# Altium PCB PCB.PcbDoc (part 1 of 2)
Units mil, origin at the board's own origin, x right, y up, seen from the top; angles counter-clockwise.
Board outline 3910.03 x 3905.03 mil, 4 copper layers (Top Layer, Int1 (GND), Int2 (PWR), Bottom Layer), stack 62.449 mil thick; 120 components, 95 nets, 487 pads, 251 vias.
Unrouted connection lines stored in the file: 2.
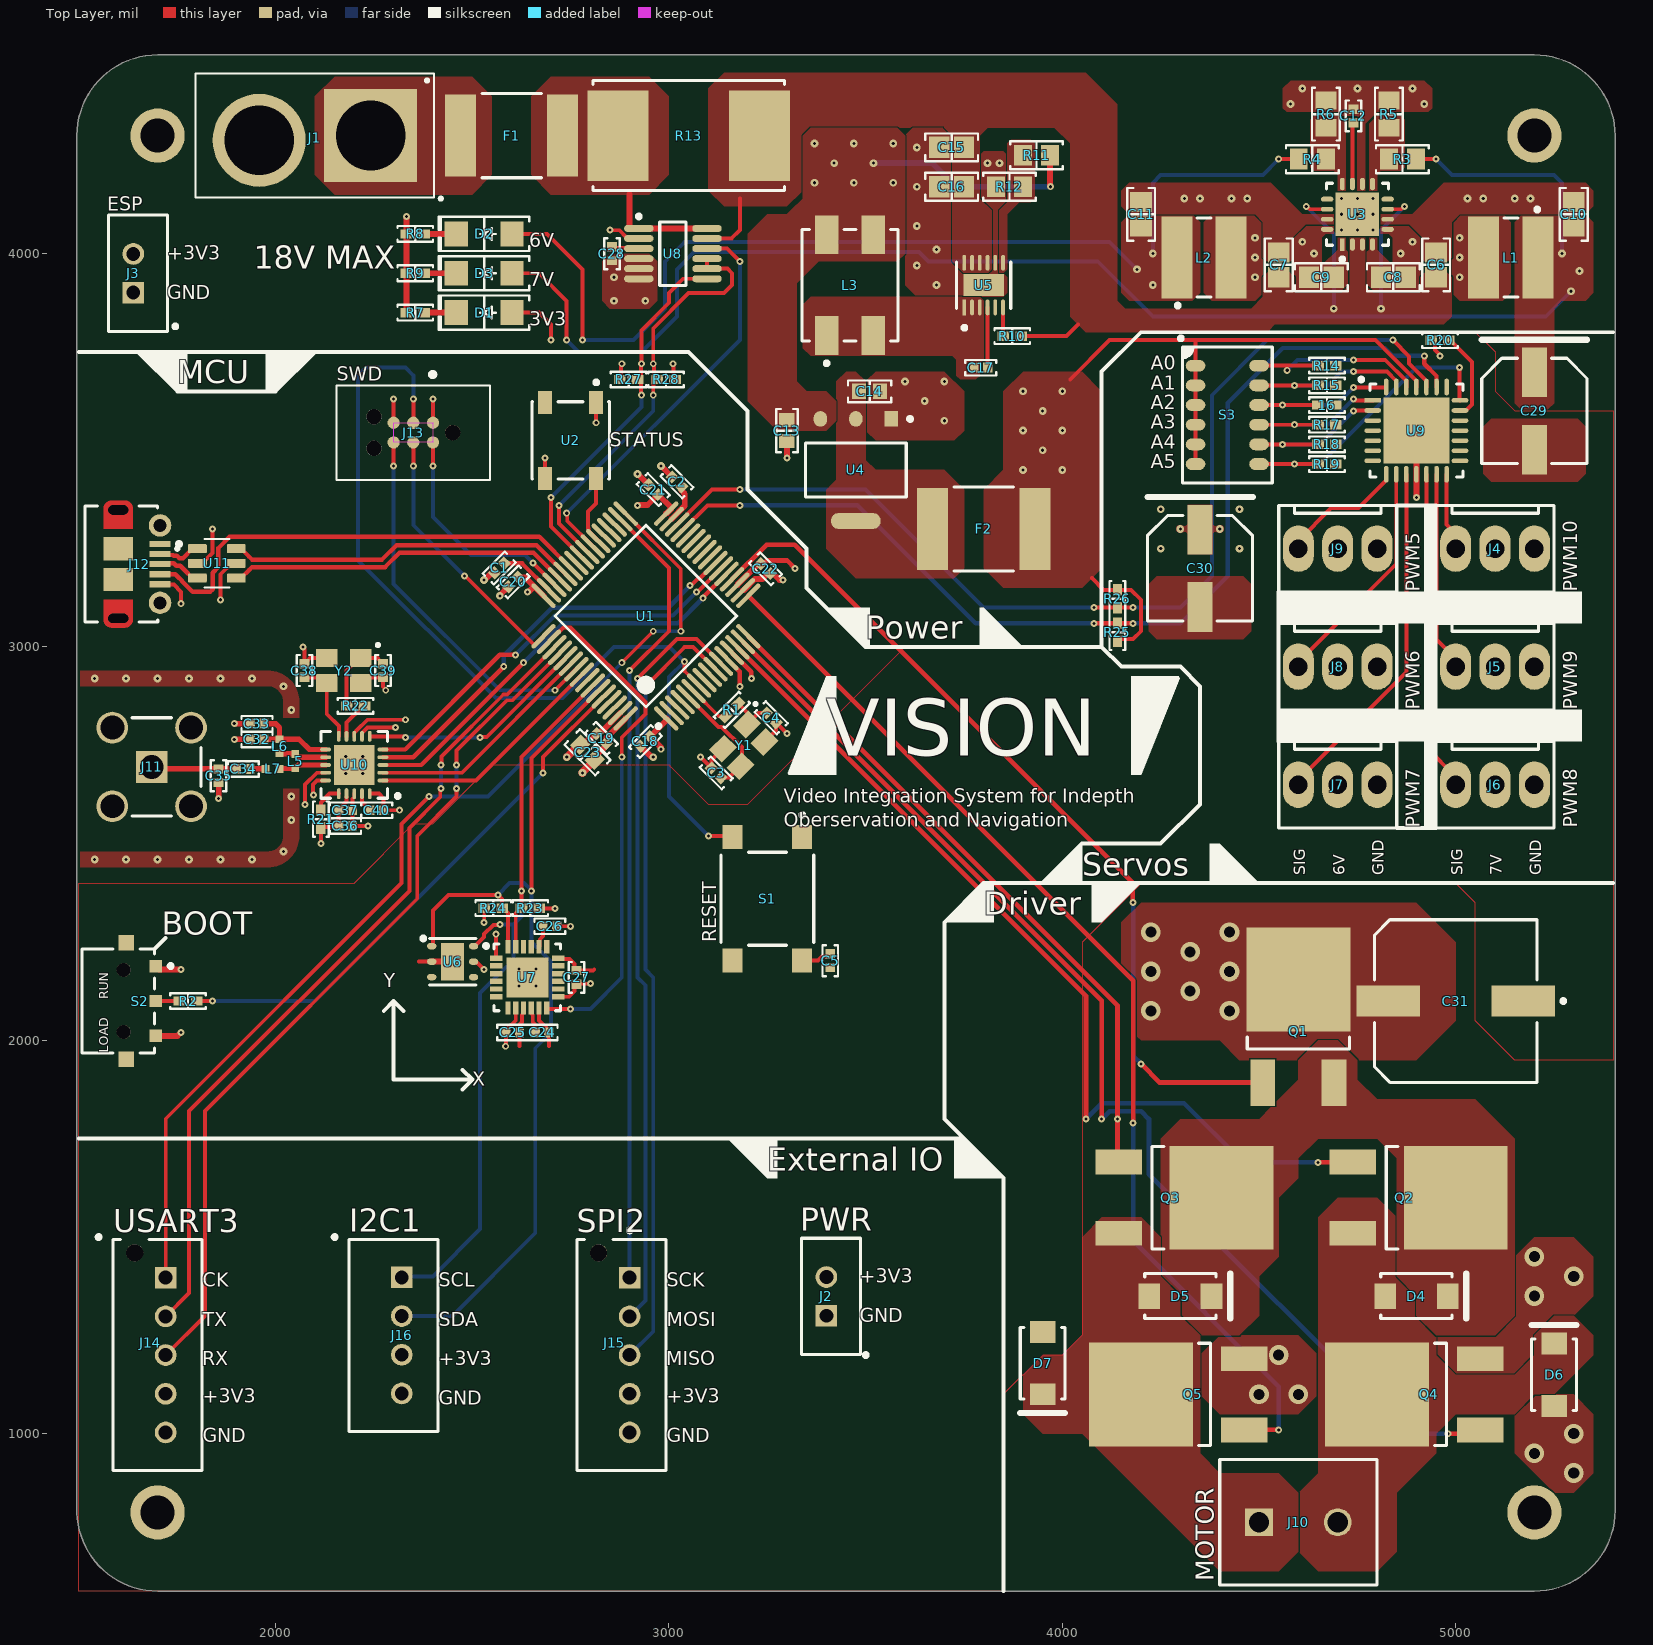
[diagram p0: Top Layer view]
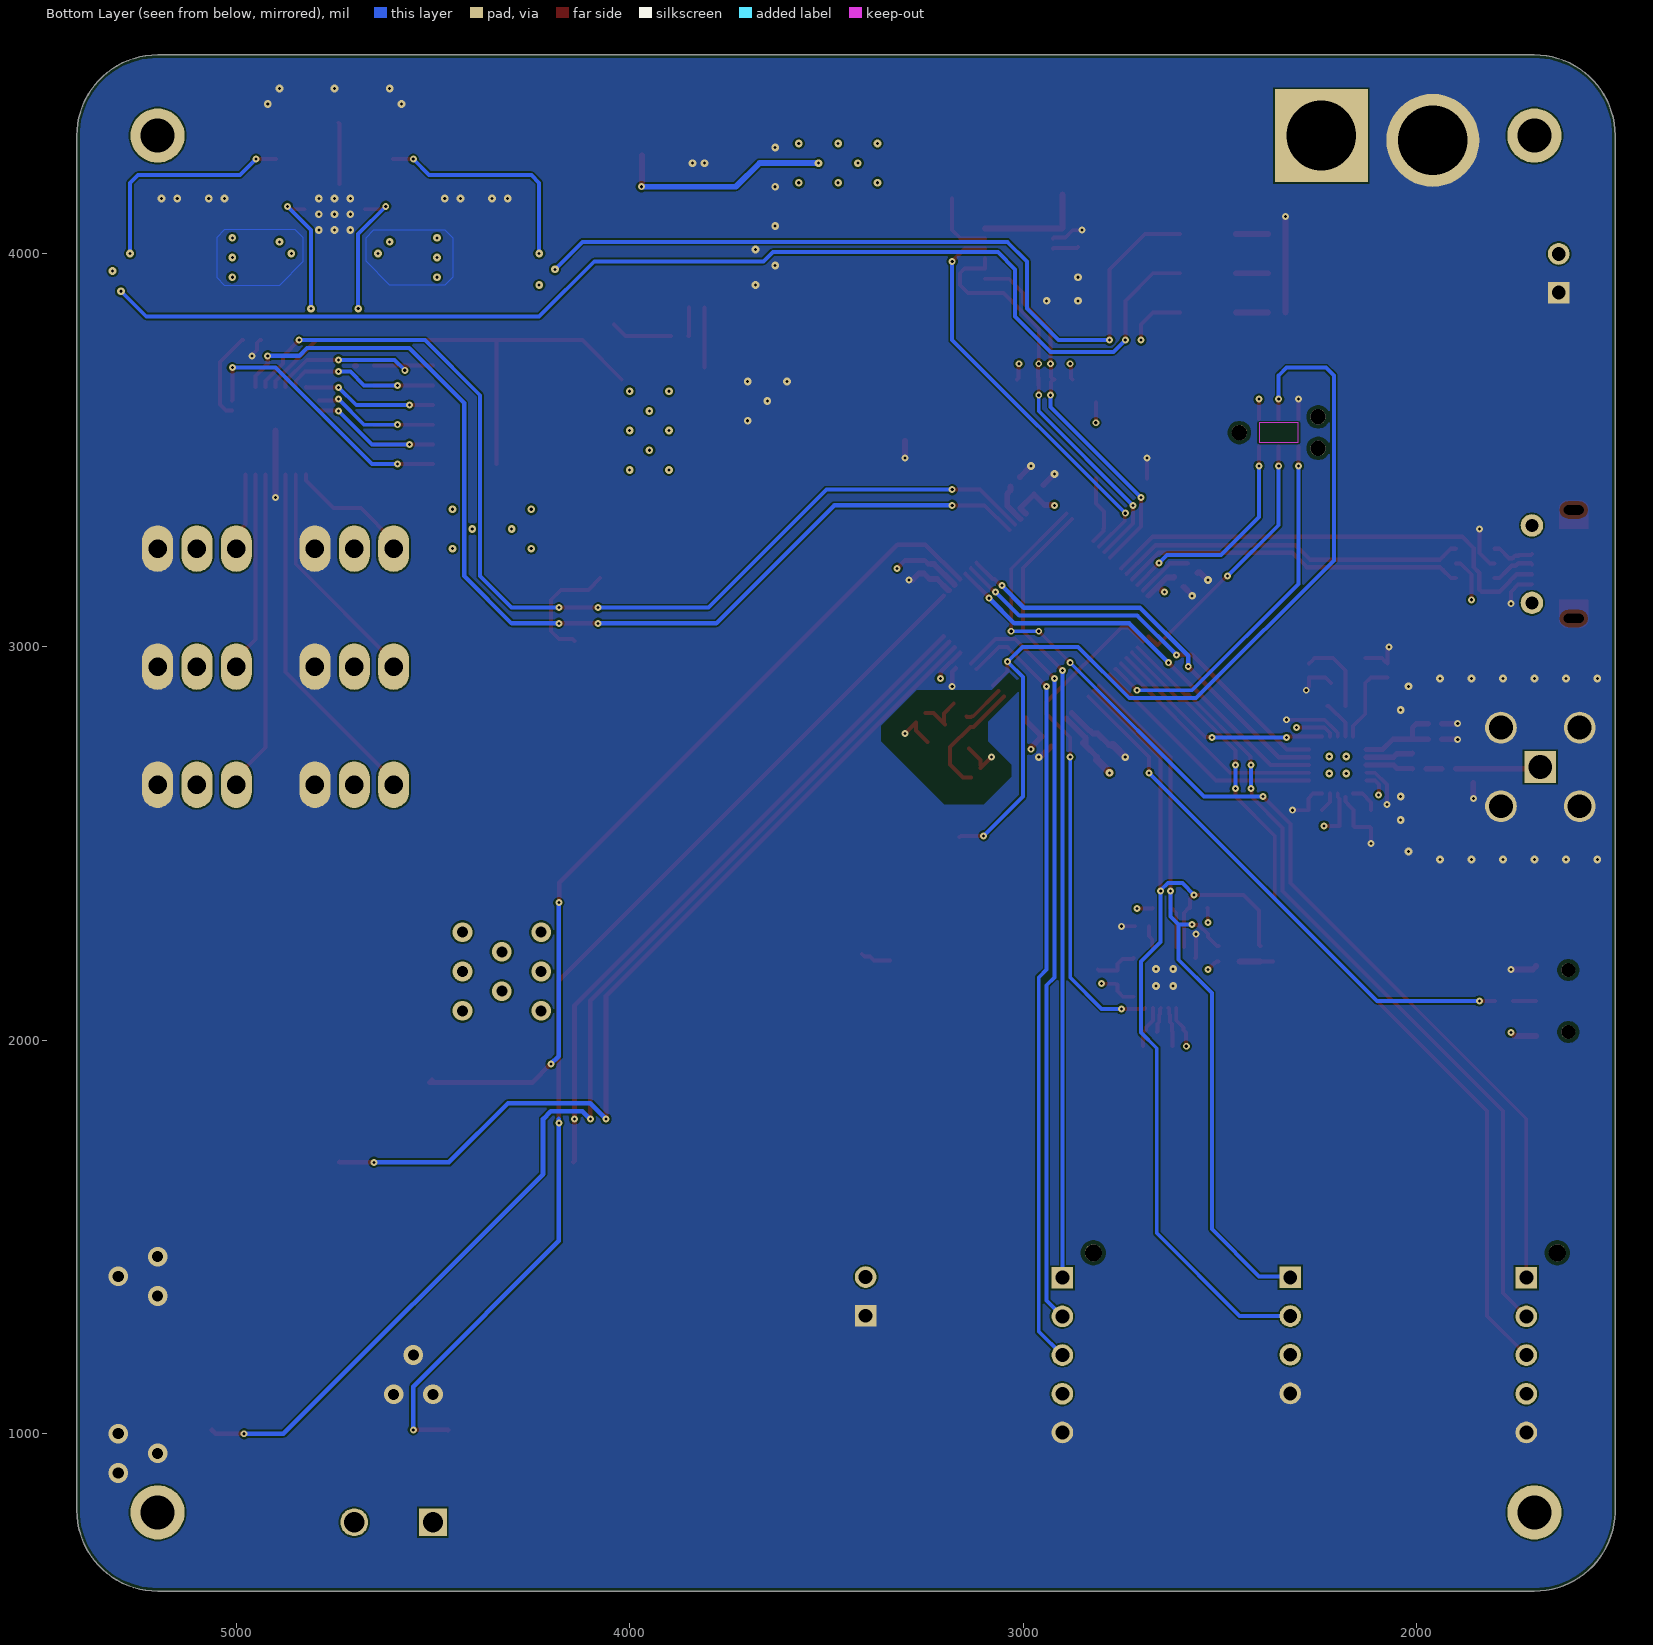
[diagram p1: Bottom Layer view, seen from below]
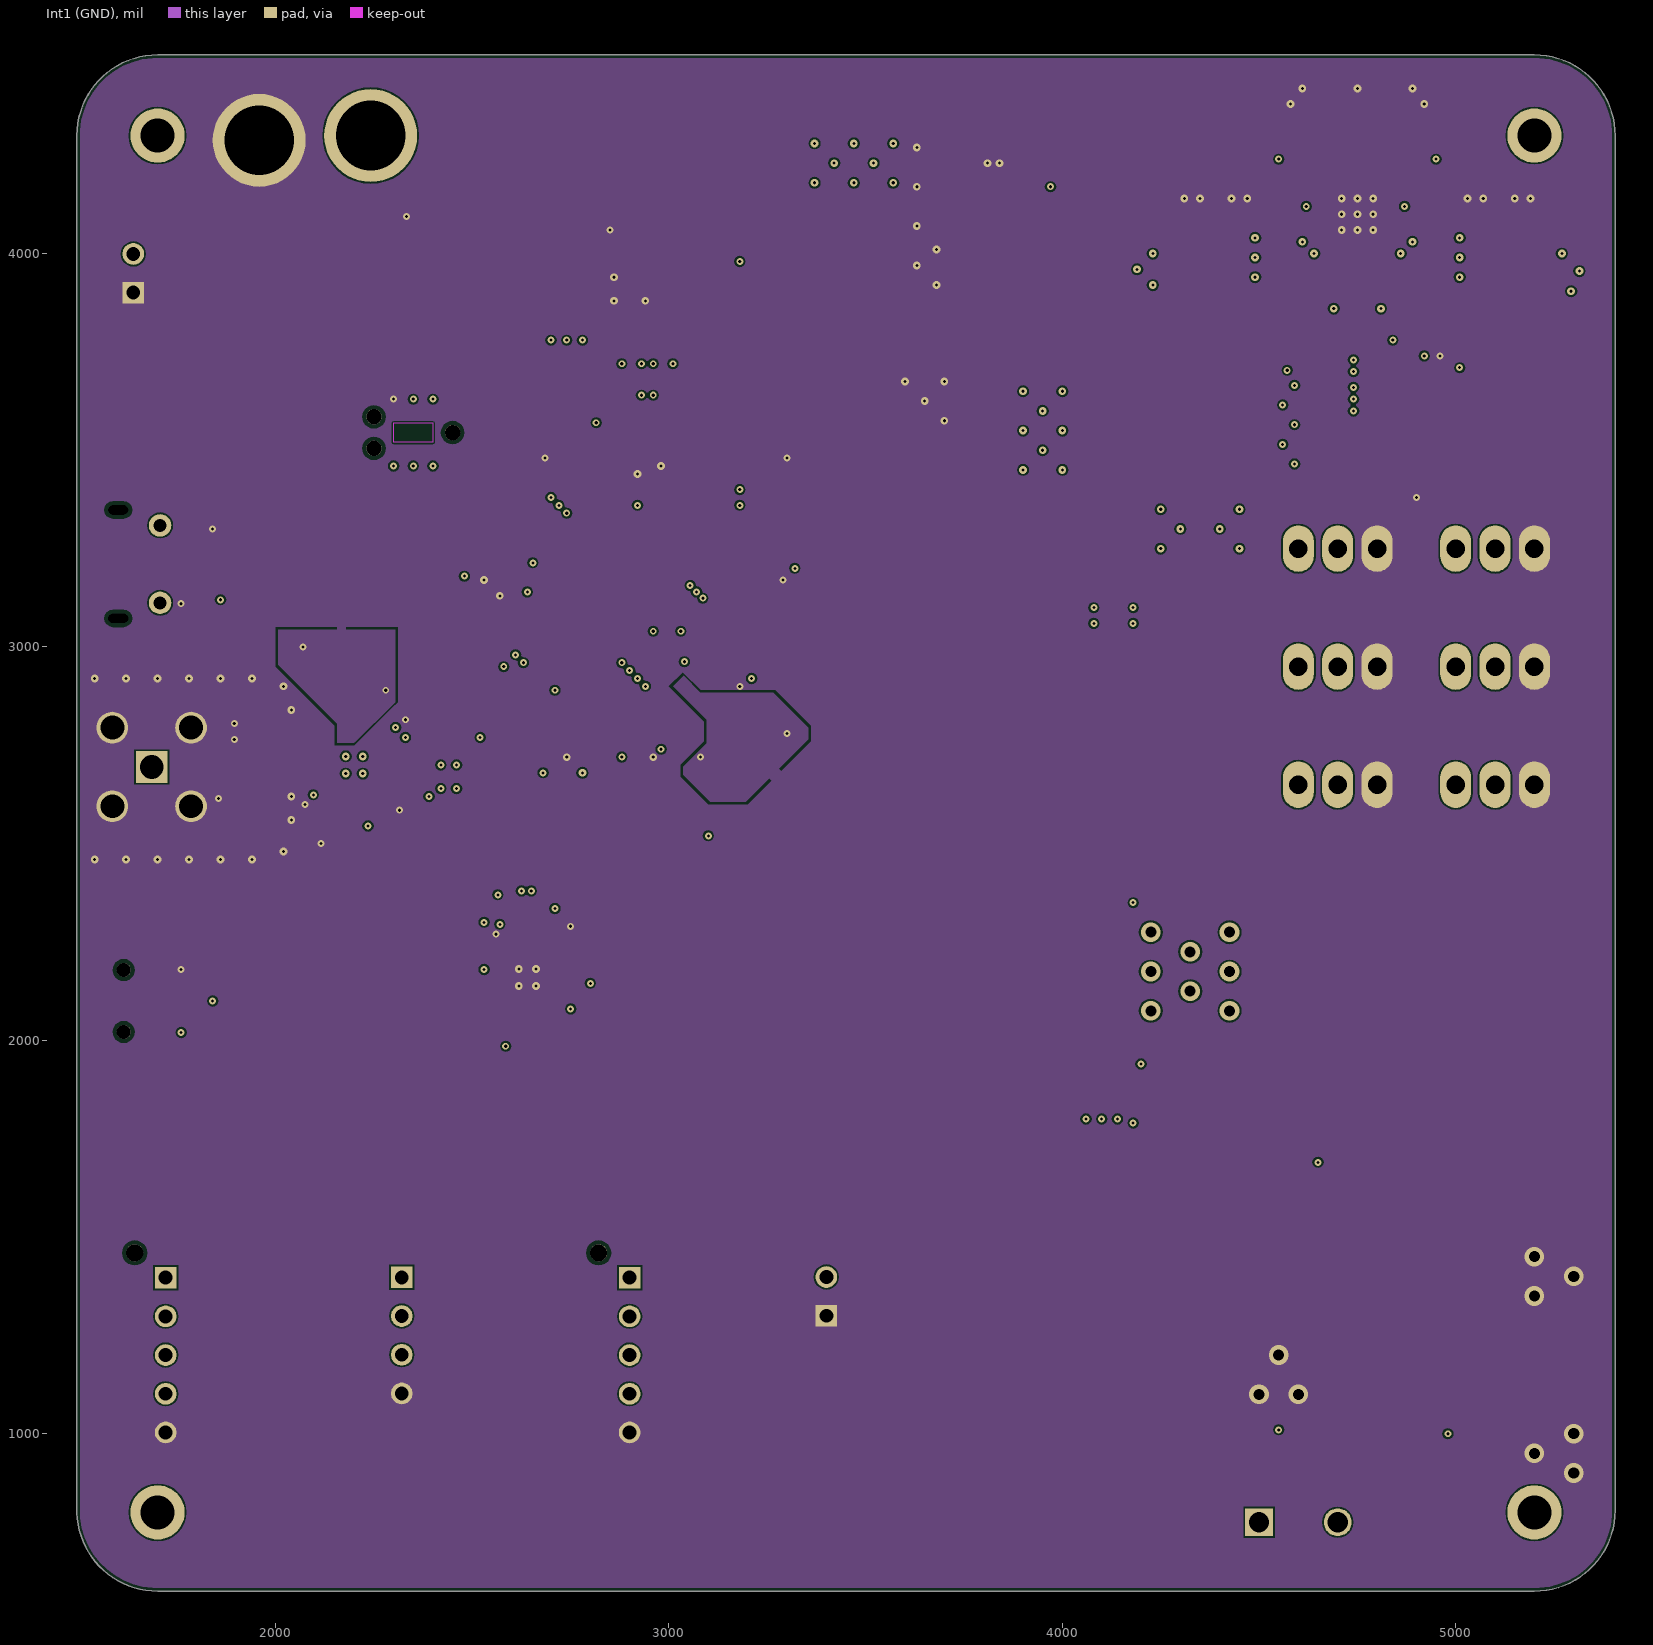
[diagram p2: Int1 (GND)]
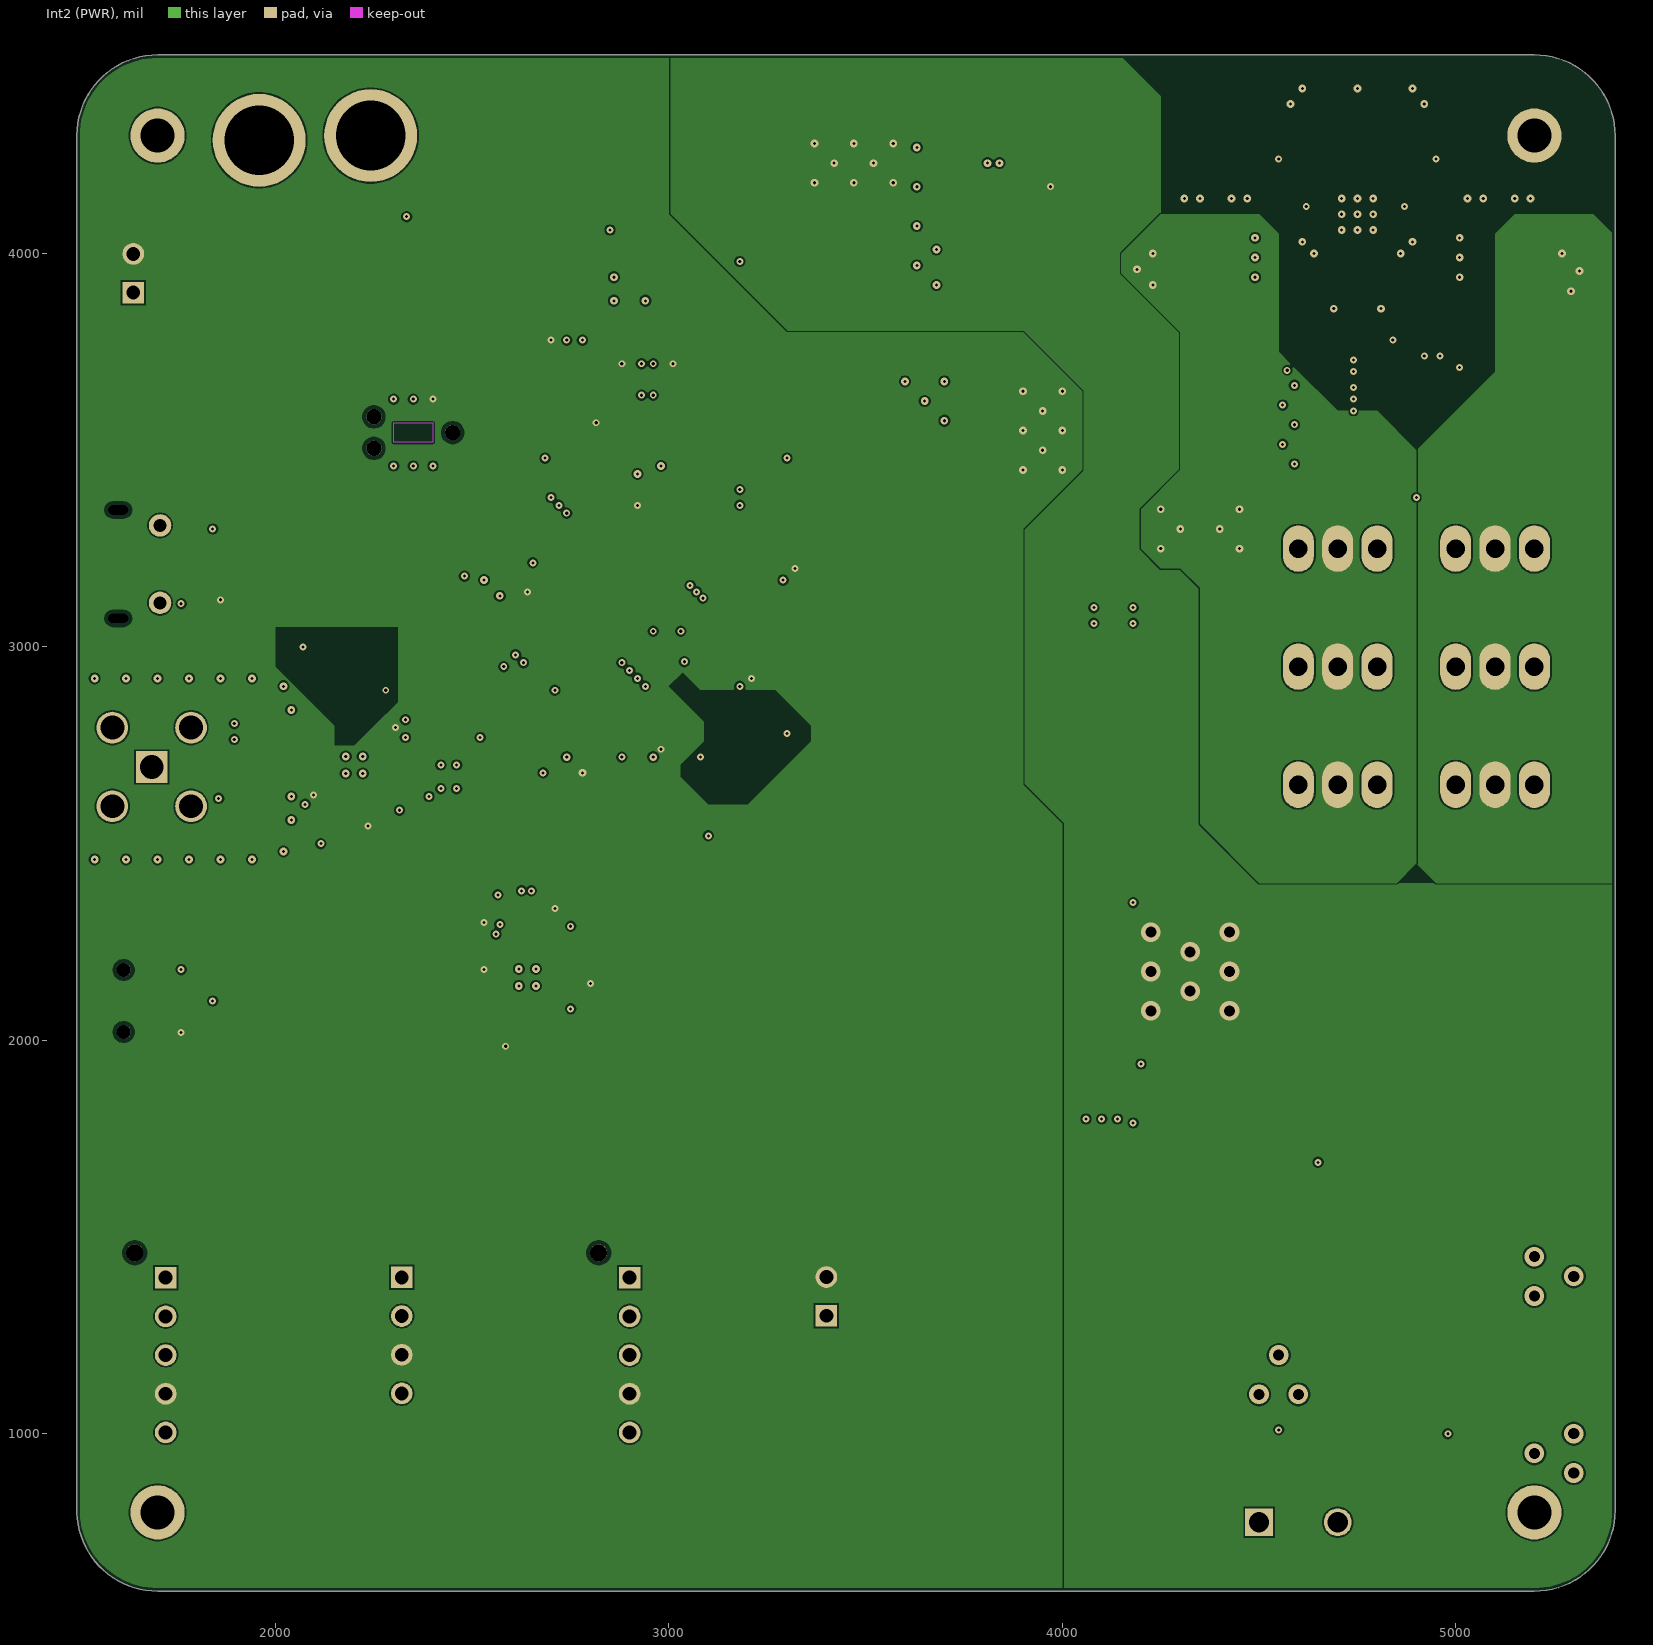
[diagram p3: Int2 (PWR)]
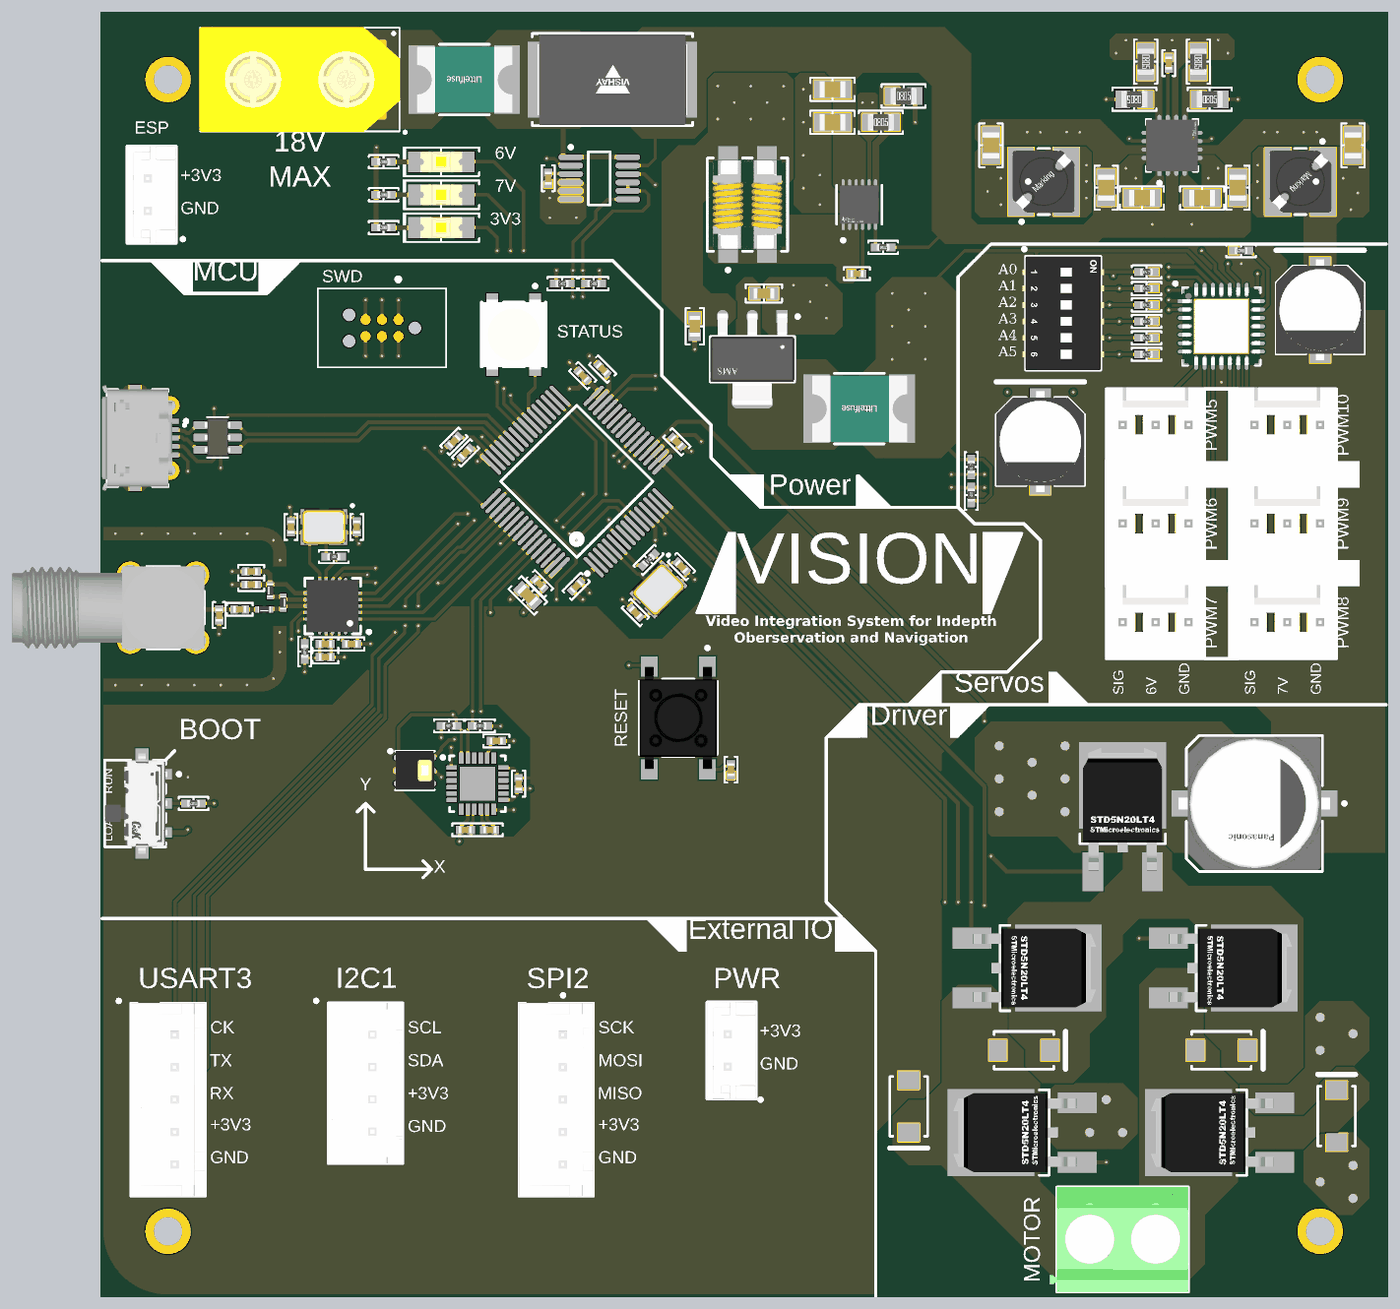
[diagram p5: 3D render of the assembled board from above, using the file's embedded part models]

## Layer stack, top to bottom
Top Solder: solder mask 1, SM-001, Dk 4
Top Layer: signal copper 1.378
Dielectric 2: prepreg 8.284, PP-017, Dk 4.4
Int1 (GND): signal copper 0.598
Dielectric 3: core 41.929, Core-039, Dk 4.6
Int2 (PWR): signal copper 0.598
Dielectric 4: prepreg 8.284, PP-017, Dk 4.4
Bottom Layer: signal copper 1.378
Bottom Solder: solder mask 1, SM-001, Dk 4

## Board outline
1495.07,799.07 ccw(c1700,805) 1699.95,599.99 ccw(c1700,604.78) 1700,599.99 5200,599.99 ccw(c5200,805) 5405.02,805 ccw(c5400,805) 5405.01,805.04 5405.02,4300 ccw(c5200,4300) 5200,4505.01 1700.06,4505.01 ccw(c1700,4499.99) 1700,4505.02 ccw(c1700,4300) 1494.98,4300.12 ccw(c1546.24,4300.06) 1494.98,4300 cw(c1500.44,4300.06) 1494.98,4300.12 1494.98,4300 1494.98,800 ccw(c1500,800)

## Design rules (kind name [scope] priority, off if disabled: settings)
BoardOutlineClearance [All] p1: gap=7.87 ignorepadtopadclearanceinfootprint=FALSE
Clearance [All] p1: gap=4 ignorepadtopadclearanceinfootprint=FALSE except(5: Arc-Via Track-Via SMDPad-Via THPad-Via Via-Via Via-Fill Via-Poly Via-Region Via-Text; 9.84: Arc-Hole Track-Hole SMDPad-Hole THPad-Hole Via-Hole Fill-Hole Poly-Hole Region-Hole Text-Hole)
ComponentClearance [All] p1: gap=4 collisioncheckmode=3 verticalgap=4 showdistances=TRUE
DiffPairsRouting [All] p1: maxlimit=8 minlimit=4 mostfreqgap=8 toplayer_mingap=8 toplayer_minwidth=11.07 toplayer_maxwidth=11.07 toplayer_prefwidth=11.07 bottomlayer_mingap=8 bottomlayer_minwidth=11.07 bottomlayer_maxwidth=11.07 bottomlayer_prefwidth=11.07 impedanceprofiledriven=TRUE impedanceprofileid={A56983EE-B020-4CAB-99AB-481D7BD619AE} impedanceprofilevalue=90.000000 maxuncoupledlength=500
Height [All] p1: minheight=0 maxheight=71497.94 prefheight=500
HoleSize [All] p1: absolutevalues=TRUE maxlimit=248.03 minlimit=7.87 maxpercent=80.000 minpercent=20.000
HoleToHoleClearance [All] p1: gap=9.84 allowstackedmicrovias=FALSE
MinimumAnnularRing [All] p1: minimumring=3
MinimumSolderMaskSliver [All] p1: minsoldermaskwidth=0
PlaneClearance "Top Plane" [InNet('GND') And OnLayer('Top Layer')] p1: clearance=100
PlaneClearance [All] p2: clearance=4
PlaneConnect PlaneConnectPowerPads [InPadClass('PowerPads')] p1: planeconnectstyle=Direct reliefexpansion=20 reliefentries=4 reliefconductorwidth=10 reliefairgap=10
PlaneConnect [All] p2: pad.planeconnectstyle=Relief pad.reliefexpansion=11.81 pad.reliefentries=4 pad.reliefconductorwidth=4 pad.reliefairgap=4 via.planeconnectstyle=Direct via.reliefexpansion=11.81 via.reliefentries=4 via.reliefconductorwidth=5 via.reliefairgap=5
PolygonConnect PolygonConnectPowerPads [All vs (InPadClass('PowerPads'))] p1: connectstyle=Direct reliefconductorwidth=10 reliefentries=4 polygonreliefangle="90 Angle" airgapwidth=10
PolygonConnect [All] p2: connectstyle=Direct reliefconductorwidth=4 reliefentries=4 polygonreliefangle="90 Angle" airgapwidth=4
RoutingVias [All] p1: holewidth=7.87 width=17.72 viastyle="Through Hole" minholewidth=7.87 minwidth=17.72 maxholewidth=248.03 maxwidth=257.87
SilkToSilkClearance [All] p1: silktosilkclearance=0
SilkToSolderMaskClearance [IsPad] p1: minsilkscreentomaskgap=4 clearancetoexposedcopper=TRUE
SolderMaskExpansion "Tented Vias" [IsVia] p1: expansion=4 istentingtop=TRUE
SolderMaskExpansion [All] p2: expansion=2.95 istentingtop=FALSE
UnRoutedNet [All] p1: checkbadconnections=TRUE
Width RF [InNetClass('50 Ohm')] p1: maxlimit=13.72 minlimit=10 preferedwidth=13.72 toplayer_minwidth=13.72 bottomlayer_minwidth=13.72 impedanceprofiledriven=TRUE impedanceprofileid={99A2524E-8D79-4B4E-A4BB-C57F5A85000C} impedanceprofilevalue=50.000000 minimp=50.000000 maximp=50.000000 favimp=50.000000
Width [All] p2: maxlimit=71497.94 minlimit=4 preferedwidth=4
19 further rules are at their usual default settings.

## Classes and differential pairs
net class "90 Ohm": USB_D_N USB_D_P
component class Sensors: C24 C25 C26 C27 C28 R13 U6 U7 U8
component class "H-Bridge Driver": C31 D4 D5 D6 D7 J10 Q1 Q2 Q3 Q4 Q5
component class Power: C6 C7 C8 C9 C10 C11 C12 C13 C14 C15 C16 C17 C18 C19 C20 C21 C22 C23 D1 D2 D3 F1 F2 J1 J2 J3 L1 L2 L3 R3 R4 R5 R6 R7 R8 R9 R10 R11 R12 U3 U4 U5
component class Connectors: J12 J13 J14 J15 J16 R23 R24 R25 R26 R27 R28 U11
component class Servos: 16 C29 C30 J4 J5 J6 J7 J8 J9 R14 R15 R17 R18 R19 R20 S3 U9
component class RF: C32 C33 C34 C35 C36 C37 C38 C39 C40 J11 L5 L6 L7 R21 R22 U10 Y2
component class Microcontroller: C1 C2 C3 C4 C5 R1 R2 S1 S2 U1 U2 Y1
differential pair USB_D: +USB_D_P -USB_D_N
differential pair USB_D_ESD: +USB_D_ESD_P -USB_D_ESD_N
